# KiCad board amp board.kicad_pcb (continued)
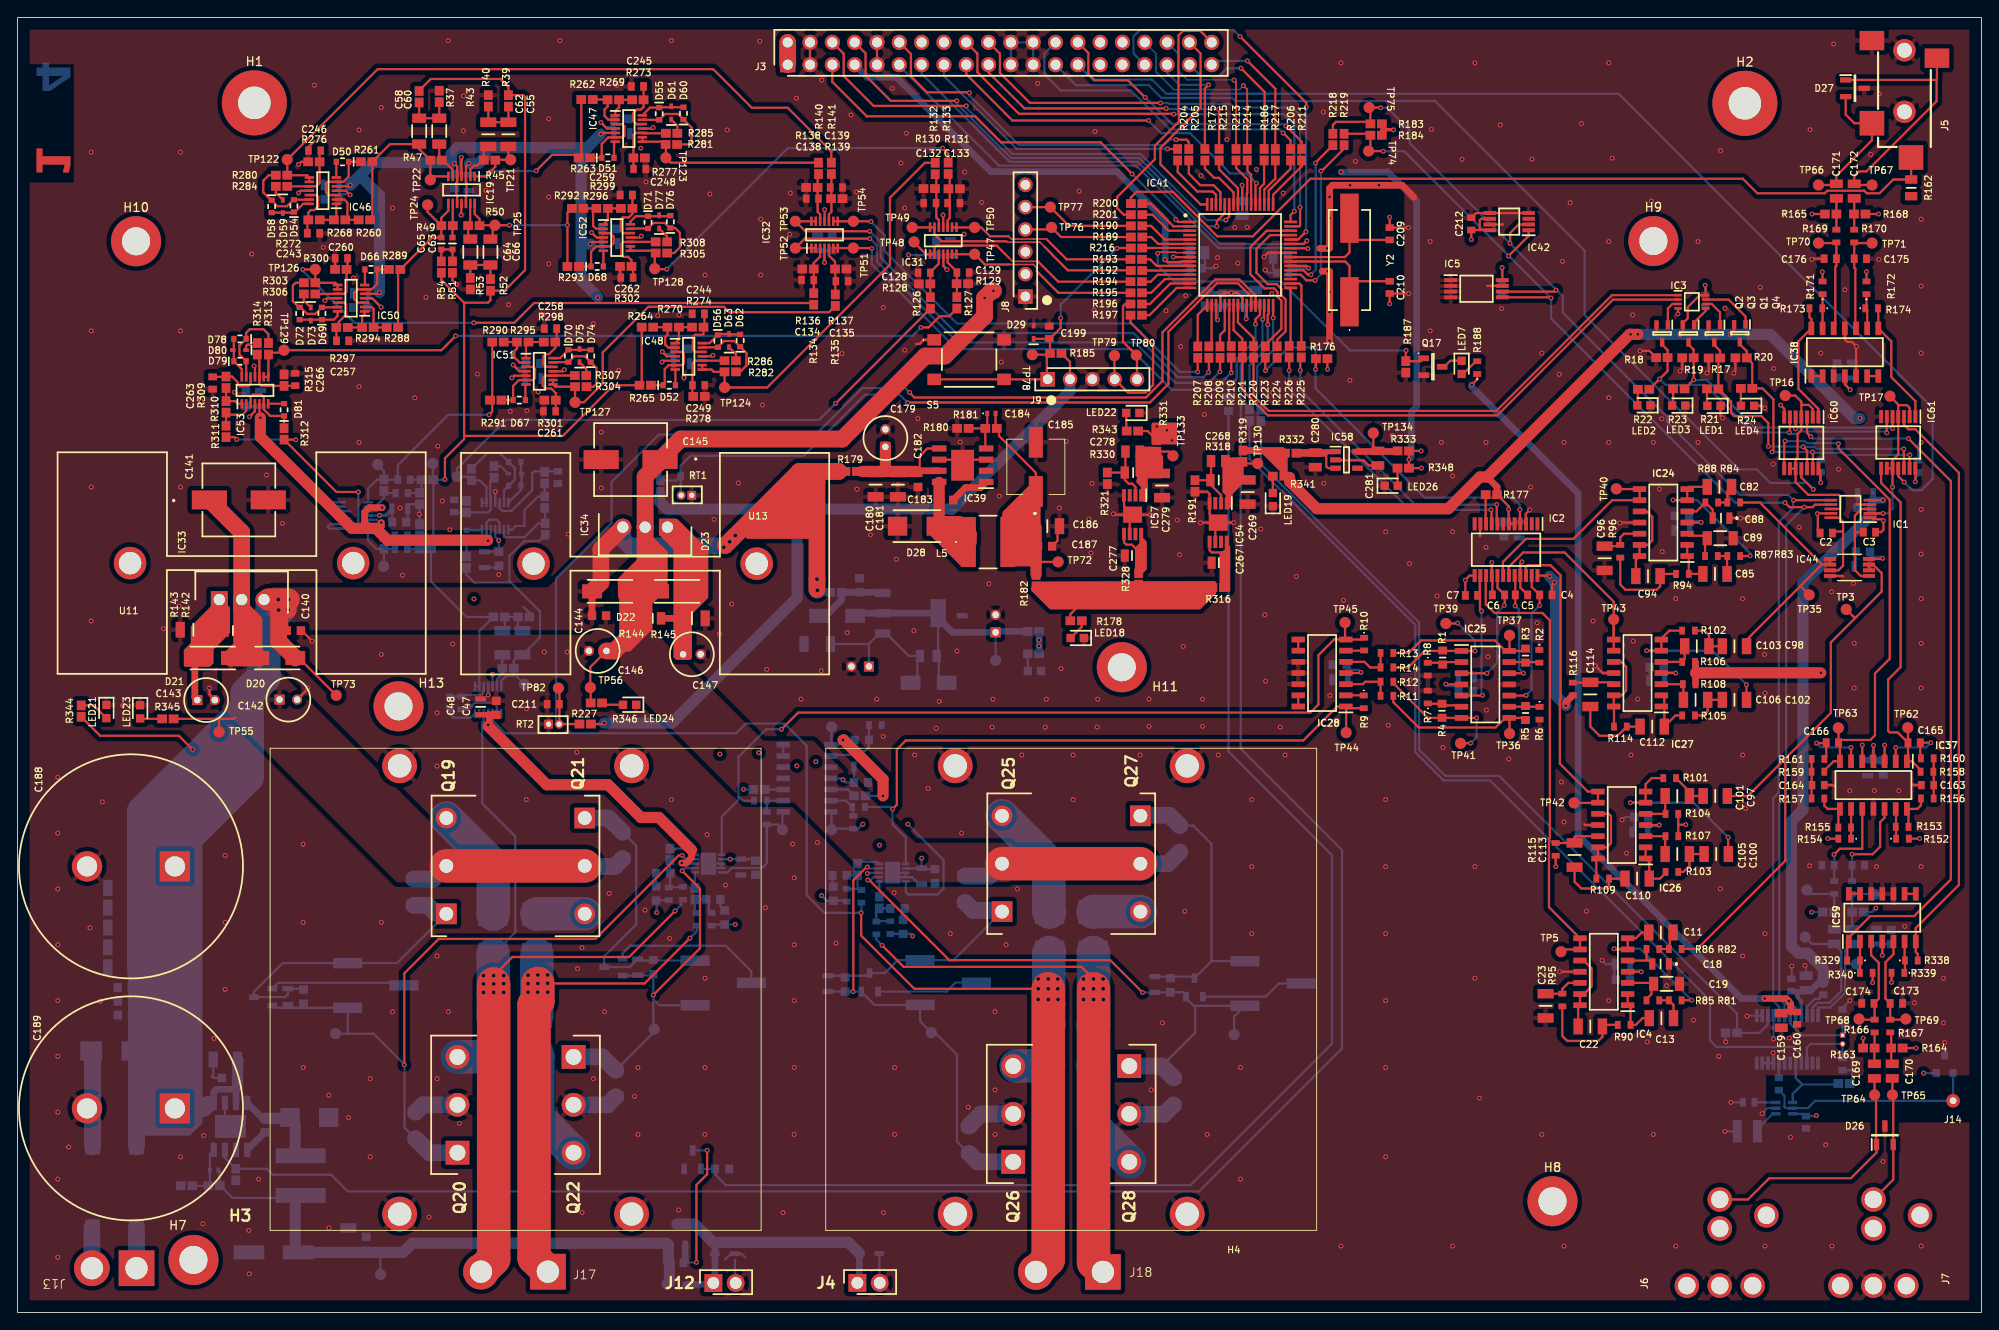
[diagram p0: board, top side]
## Nets (continued)
Net-(IC41-SEG5/AN2/C2INB/RP13/RB2): IC41.14 R195.2
Net-(IC41-SEG8/AN14/RP14/OCM1C/RB14): IC41.29 R57.1
Net-(IC41-SEG10/RP10/SDA2/RF4): IC41.31 R124.2
Net-(IC41-SEG11/RP17/SCL2/RF5): IC41.32 R123.2
Net-(IC41-SEG12/RP16/RF3): IC41.33 R226.1
Net-(IC41-SEG16/C3INC/RP12/RD11): IC41.45 R224.1
Net-(IC41-SEG17/RP11/RD0): IC41.46 R223.1
Net-(IC41-SEG20/RP24/RD1): IC41.49 R211.1
Net-(IC41-SEG21/RP23/RD2): IC41.50 R206.1
Net-(IC41-SEG22/RP22/RD3): IC41.51 R217.1
Net-(IC41-SEG23/RP25/RD4): IC41.52 R186.1
Net-(IC41-SEG25/C3INB/RD6): IC41.54 R214.1
Net-(IC41-SEG26/C3INA/RD7): IC41.55 R213.1
Net-(IC41-SEG27/RF0): IC41.58 R175.1
Net-(IC41-SEG28/SCL1/RG2): IC41.37 R218.1
Net-(IC41-SEG40/RP30/RF2): IC41.34 R225.1
Net-(IC41-SEG47/RP31/SDA1/OCM1F/RG3): IC41.36 R219.1
Net-(IC41-TDO/AN11/RB11): IC41.24 R220.2
Net-(IC41-TMS/COM5/SEG29/CVREF/AN10/RP15/RB10): IC41.23 R221.2
Net-(IC41-VLCAP1/C1INC/C2INC/C3INC/RP26/RG7): IC41.5 R190.2
Net-(IC41-VLCAP2/C2IND/RP19/RG8): IC41.6 R189.2
Net-(IC41-~{MCLR}): IC41.7 R216.1
Net-(IC45-+_IN_B): IC45.5 R228.2
Net-(IC45-+_IN_C): IC45.10 R233.1
Net-(IC45--IN_A): IC45.2 R31.2 R55.1
Net-(IC45--IN_B): IC45.6 R229.2 R231.2
Net-(IC45--IN_C): IC45.9 R236.2 R237.2
Net-(IC45--IN_D): IC45.13 IC45.14
Net-(IC46-1IN-): IC46.2 R260.2 R268.1
Net-(IC46-1OUT): IC46.1 R268.2 R272.1
Net-(IC46-3IN+): C246.1 IC46.10 R276.2 R284.2
Net-(IC46-4IN+): C243.2 IC46.12 R272.2
Net-(IC47-1IN-): IC47.2 R262.2 R269.1
Net-(IC47-1OUT): IC47.1 R269.2 R273.1
Net-(IC47-3IN+): C248.1 IC47.10 R277.2 R285.2
Net-(IC47-4IN+): C245.2 IC47.12 R273.2
Net-(IC48-1IN-): IC48.2 R264.2 R270.1
Net-(IC48-1OUT): IC48.1 R270.2 R274.1
Net-(IC48-3IN+): C249.1 IC48.10 R278.2 R286.2
Net-(IC48-4IN+): C244.2 IC48.12 R274.2
Net-(IC49-1IN-): IC49.2 R266.2 R271.1
Net-(IC49-1OUT): IC49.1 R271.2 R275.1
Net-(IC49-3IN+): C250.1 IC49.10 R279.2 R287.2
Net-(IC49-4IN+): C247.2 IC49.12 R275.2
Net-(IC50-1IN-): IC50.2 R288.2 R294.1
Net-(IC50-1OUT): IC50.1 R294.2 R297.1
Net-(IC50-3IN+): C260.1 IC50.10 R300.2 R306.2
Net-(IC50-4IN+): C257.2 IC50.12 R297.2
Net-(IC51-1IN-): IC51.2 R290.2 R295.1
Net-(IC51-1OUT): IC51.1 R295.2 R298.1
Net-(IC51-3IN+): C261.1 IC51.10 R301.2 R307.2
Net-(IC51-4IN+): C258.2 IC51.12 R298.2
Net-(IC52-1IN-): IC52.2 R292.2 R296.1
Net-(IC52-1OUT): IC52.1 R296.2 R299.1
Net-(IC52-3IN+): C262.1 IC52.10 R302.2 R308.2
Net-(IC52-4IN+): C259.2 IC52.12 R299.2
Net-(IC53-1IN-): IC53.2 R310.1 R311.2
Net-(IC53-1OUT): IC53.1 R309.1 R310.2
Net-(IC53-3IN+): C266.1 IC53.10 R314.2 R315.2
Net-(IC53-4IN+): C263.2 IC53.12 R309.2
Net-(IC54-EN): C267.1 IC54.5 IC54.8 R316.2
Net-(IC54-FB): C268.2 IC54.2 R191.2 R318.2
Net-(IC54-OUT): C268.1 C269.1 IC54.1 R318.1 R319.1 TP130.1
Net-(IC57-EN): C277.1 IC57.5 IC57.8 R328.2
Net-(IC57-FB): C278.2 IC57.2 R321.2 R330.2
Net-(IC57-OUT): C278.1 C279.1 IC57.1 R330.1 R331.1 TP133.1
Net-(IC58-EN): C280.2 IC58.1 IC58.3 R332.2
Net-(IC58-OUT): C281.2 IC58.5 R333.1 TP134.1
Net-(IC59--IN_A): IC59.2 R329.1 R339.1
Net-(IC59--IN_B): IC59.6 R338.1 R340.1
Net-(IC59--IN_C): IC59.8 IC59.9
Net-(IC59--IN_D): IC59.13 IC59.14
Net-(J5-RING): C172.2 D27.1 J5.3 TP67.1
Net-(J5-TIP): C171.2 D27.2 J5.2 TP66.1
Net-(J6-SIG): C169.2 D26.1 J6.3 TP64.1
Net-(J7-SIG): C170.2 D26.2 J7.3 TP65.1
Net-(LED1-A): LED1.2 R21.1
Net-(LED2-A): LED2.2 R22.1
Net-(LED3-A): LED3.2 R23.1
Net-(LED4-A): LED4.2 R24.1
Net-(LED7-A): LED7.2 R188.2
Net-(LED7-K): LED7.1 Q17.3
Net-(LED18-A): LED18.2 R178.1
Net-(LED19-A): LED19.2 R341.1
Net-(LED21-A): LED21.2 R344.1
Net-(LED22-A): LED22.2 R343.1
Net-(LED23-A): LED23.2 R345.1
Net-(LED24-A): LED24.2 R346.1
Net-(LED25-A): LED25.2 R347.1
Net-(LED26-A): LED26.2 R348.1
Net-(Q5-G): Q5.1 Q6.3 R56.1
Net-(Q18-B): Q18.1 VR3.2
Net-(Q18-C): C215.1 C216.1 Q18.3 Q19.1 R234.2 VR3.3
Net-(Q19-E): Q19.3 R238.1
Net-(Q20-E): Q20.3 R239.2
Net-(Q21-B): C217.1 C218.1 Q21.1 Q23.3 R242.2 VR4.3
Net-(Q21-E): Q21.3 R240.1
Net-(Q22-E): Q22.3 R241.2
Net-(Q23-B): Q23.1 VR4.2
Net-(Q24-B): Q24.1 VR5.2
Net-(Q24-C): C225.1 C226.1 Q24.3 Q25.1 R248.2 VR5.3
Net-(Q25-E): Q25.3 R250.1
Net-(Q26-E): Q26.3 R251.2
Net-(Q27-B): C229.1 C230.1 Q27.1 Q29.3 R254.2 VR6.3
Net-(Q27-E): Q27.3 R252.1
Net-(Q28-E): Q28.3 R253.2
Net-(Q29-B): Q29.1 VR6.2
Net-(U14--IN_A): R335.1 U14.10
Net-(U14--IN_B): R334.2 U14.6
Net-(U15--IN_A): R337.1 U15.10
Net-(U15--IN_B): R336.2 U15.6

Pads without a net: H1 1; H2 1; H7 1; H8 1; H9 1; H10 1; H11 1; H13 1; IC2 1 2 12; IC30 2; IC36 1 2 6 7 12; IC39 2; IC41 4 35 63; IC42 3; IC54 3 7; IC57 3 7; IC58 4; J3 14 16; J6 2 4 5 6; J7 2 4 5 6; J8 2 3 6; U11 1 2; U13 1 2

## Via types
v1: diameter 0.559, hole 0.305, Top to Bottom, 724 vias
v2: diameter 0.762, hole 0.432, Top to Bottom, 45 vias

## Routing (per net, layer and track width the routed paths; a pad name or vN(x,y) marks a point on that pad's centre or on a via; arc(x,y) is an arc through that point)
2V5: length 198.1
  Top w0.254: R164.2 216.07,30.08 v1(216.08,30.07) ; R340.2 213.29,37.55 v1(213.28,37.54) ; 210.06,30.08 210.06,31.19 v1(210.06,31.19) ; v1(174.37,83.74) 174.28,83.84 IC2.24 ; v1(174.93,83.06) 174.64,82.77 C4.2 ; v1(175.08,50.72) 175.06,50.75 R115.1 ; v1(216.48,53.92) 216.46,53.9 R152.2 ; v1(210.44,118.42) R172.2 ; v1(159.79,96.06) R348.2 v1(158.36,97.03) 158.36,98.01 R333.2 v1(159.74,98.02) ; R168.2 v1(211.81,124.97) ; IC2.13 165.27,83.84 164.78,83.35 v1(164.78,83.31) C7.2 ; 190.98,73.94 R106.1 ; R107.2 189.02,55.5 ; 189.02,55.5 R104.1 ; 189.02,55.5 v1(189.86,55.5) ; IC37.3 v1(212.5,64.55) ; IC37.5 v1(209.96,64.55) ; 211.15,37.52 v1(211.14,37.53) 211.13,37.53 R339.2 ; 206.02,53.92 v1(206.03,53.91) 206.04,53.9 R154.2 ; v1(205.23,72.77) 205.26,72.8 ; v1(205.41,118.39) 205.44,118.36 R171.2 ; 210.86,90.41 211.06,90.41 211.23,90.25 212.22,90.25 v1(212.37,90.09) 212.37,89.05 212.09,88.77 C3.2 ; 206.41,90.91 204.88,90.91 v1(204.85,90.88) 204.9,90.83 204.9,88.93 C2.1 ; R165.2 v1(204.24,124.97) ; C5.2 171.04,82.47 IC2.21 171.04,85.21 v1(171.22,85.4) ; v1(167.79,85.32) 167.79,85.32 IC2.16 167.85,83.77 C6.2
  Top w0.762: 190.98,73.94 R108.2 ; v1(176.23,69.04) 176.23,69.42 R116.1
  Top w1.27: v1(205.23,72.77) 190.98,72.77
  In2.Cu w0.381: J3.29 124.45,143.19 124.45,145.15 125.16,145.86 141.82,145.86 144.45,143.23 144.5,143.28
  In2.Cu w0.762: v1(150.65,129.74) 150.65,137.13 144.65,143.13
  In2.Cu w1.27: v1(206.03,53.91) 204.44,55.5 v1(189.86,55.5) 185.09,50.72 v1(175.08,50.72)
  Bottom w0.254: v1(204.19,45.54) 204.2,45.55 R149.2 ; v1(211.51,46) 211.06,45.55 R148.2 ; v1(158.36,97.03) 158.62,97.29
  Bottom w0.762: 158.62,97.29 158.62,102.44 159.23,103.05 159.23,126.47 155.96,129.74 v1(150.65,129.74)
  Bottom w1.27: v1(174.37,83.74) 174.93,83.19 v1(174.93,83.06) 175.06,82.93 175.06,70.21 v1(176.23,69.04)
3V3: length 311.9
  Top w0.254: 139.84,113.03 v1(139.85,113.04) 139.9,113.1 IC41.26 ; IC5.8 168.99,118.85 v1(168.96,118.87) ; 201.32,35.71 v1(201.6,35.43) ; IC42.6 166.6,124.43 166.42,124.26 166.42,123.15 ; 155.28,134.57 155.28,133.93 155.28,135.23 ; v1(66.78,67.06) 66.66,66.94 R227.2 ; IC41.10 132.44,119.57 132.37,119.5 130.89,119.5 v1(130.61,119.79) ; 129.67,100.78 v1(129.67,100.79) ; 166.42,123.15 C212.2 v1(165.46,122.07) ; 166.42,123.15 167.54,123.15 IC42.8 ; R343.2 128.62,100.28 R331.2 129.68,99.23 ; R188.1 166.13,106.16 v1(165.51,105.54) ; R185.2 119.79,108.14 J9.2 ; C159.2 200.86,34.18 ; v1(146.94,118.82) 146.69,119.07 IC41.38 ; IC41.19 136.4,113.11 v1(136.58,112.93) ; R176.2 149.08,107.34 v1(149.1,107.32) ; 131.35,99.23 v1(131.37,99.21)
  Top w0.381: 200.86,34.18 C160.2 ; 155.28,134.57 156.58,134.57
  Top w0.762: 201.8,34.18 201.8,35.12 201.6,35.32 v1(201.6,35.43) ; v1(198.86,35.71) 201.32,35.71
  In2.Cu w0.762: v1(201.6,35.43) 202.06,34.98 202.06,33.99
  In2.Cu w1.27: v1(216.94,27.23) 208.81,27.23 ; 208.81,27.23 202.06,33.99 ; 208.81,27.23 208.81,25.77 205.45,22.4 204.88,22.4
  Bottom w0.254: C205.2 139.84,114.66 ; 139.84,114.66 136.51,114.66 ; 139.84,114.66 139.73,114.55 139.73,113.17 v1(139.85,113.04) ; 144.68,119.05 144.93,118.8 146.91,118.8 v1(146.94,118.82) ; 144.68,119.05 C206.2 ; 144.68,119.05 144.68,119.94 C208.2 ; 133.49,119.48 C200.2 ; 133.49,119.48 C201.2 ; 133.49,119.48 133.31,119.3 131.09,119.3 v1(130.61,119.79) 130.63,119.81 ; IC35.6 203.31,22.59 C150.2 204.66,22.34 v1(204.72,22.4) ; 136.51,114.66 136.6,114.57 136.6,112.95 v1(136.58,112.93) ; 136.51,114.66 135.53,114.66 C202.2 ; 168.99,118.87 168.96,118.85 C24.2 ; IC36.20 202.39,34.65 v1(201.6,35.43) ; D24.2 v1(216.94,27.23)
  Bottom w0.762: v1(165.51,105.54) 165.51,105.31 177.62,93.19 177.62,54.31 196.22,35.71 v1(198.86,35.71) ; 130.63,119.81 130.63,124.28 125.12,129.79 110.77,129.79 100.03,140.54 96.7,140.54 J3.7
  Bottom w1.27: v1(66.78,67.06) 74.47,67.06 88.72,81.31 88.72,91.39 ; 73.1,92.79 73.1,92.23 73.94,91.39 88.72,91.39 ; 88.72,91.39 106.35,91.39 119.79,104.83 J9.2
  vias: v1(130.81,100.36) v1(156.61,134.54)
/Main Board/5V_Signal: length 208.3
  Top w0.254: Q2.2 186.53,111.65 v1(186.26,111.38) ; Q4.2 195.37,111.78 194.97,111.38 ; 144.17,97.68 R332.1 143.96,98.06 ; v1(192.07,116.87) 192.14,116.8 IC3.8 191.45,115.74 190.09,114.38 190.09,113.11 189.53,112.54 Q3.2 189.53,111.6 v1(189.2,111.28) ; 170.36,89.69 169.71,89.69 v1(169.71,91.36) 169.71,91.73 R177.2 ; 212.32,92.41 v1(212.31,92.41) 210.86,92.41 ; Q1.2 192.47,111.58 192.46,111.57 192.46,111.53 192.25,111.33 ; v1(216,94.51) 216,94.51 IC61.14 ; v1(205.23,94.41) 205.18,94.46 205.18,95.79 IC60.14
  Top w0.762: 167.25,95.05 168.39,93.91 R177.2 ; R319.2 143.96,98.06 ; R341.2 144.17,97.68
  Top w1.27: v1(184.4,111.28) v1(183.59,111.28) 183.48,111.28 167.25,95.05 166.45,95.05 162.84,91.44 147.88,91.44 144.78,94.54 144.78,95
  In2.Cu w1.27: v1(216,94.51) 216,94.74 215.18,95.56 211.99,95.56 211.86,95.43 ; 211.86,95.43 212.09,95.2 212.09,92.63 v1(212.31,92.41) ; 211.86,95.43 208.97,95.43 ; v1(205.23,94.41) 207.95,94.41 208.97,95.43 ; v1(209.7,101.73) 209.7,96.16 208.97,95.43
  Bottom w0.254: C288.1 170.9,89.91 169.72,89.91 ; v1(205.23,94.41) C115.2 ; 169.72,89.91 169.72,91.36 ; 169.72,89.91 C287.1 ; C17.2 192.09,116.85 v1(192.07,116.87) ; v1(216,94.51) 216,94.95 216.31,95.25 C116.2 ; 205.04,37.56 C152.2 205.25,37.56 ; C284.1 211,92.94 211,92.41 211,92.41 ; 203.85,36.93 C158.2 204.14,36.65 ; 202.59,36.53 202.62,36.55
  Bottom w0.381: 203.47,36.55 C156.2 ; 202.59,35.87 203.02,35.43 IC36.21
  Bottom w0.508: 202.59,35.87 202.59,36.53
  Bottom w0.762: 204.14,36.65 205.04,37.56 ; 211,92.41 C34.1 211,90.75 ; v1(212.31,92.41) 211,92.41
  Bottom w1.27: v1(209.7,101.73) 209.04,101.73 199.49,111.28 v1(194.95,111.28) v1(192.23,111.28) v1(189.2,111.28) v1(183.59,111.28) ; C152.2 205.51,39.12 203.76,40.87 202.69,40.87 201.9,41.66 201.9,55.88 203.2,57.18 203.2,82.96 211,90.75
/Main Board/8V: length 4.6
  Top w0.254: 121.98,81.6 119.82,79.44 R178.2 ; R182.2 115.92,82.05 ; 136,82.28 R316.1
/Main Board/33V: length 230.7
  Top w0.254: C140.1 30.65,79.77 v2(30.81,79.93) ; D20.1 32.02,74.46 TP73.1 ; 19.99,63.98 v1(19.93,64.05) 18.36,65.61 9.4,65.61 R344.2 ; 65.38,82.03 D22.1 ; 30.46,81 30.56,81.1
  Top w0.762: C144.1 65.38,82.03
  Top w1.27: 30.46,81 29.72,80.26
  Top w1.905: 88.97,95.68 93.44,95.68 93.45,95.68 ; 88.97,95.68 89.87,95.68 90.98,94.56 v2(90.98,83.43) 90.98,82.25 ; 88.97,95.68 80.57,87.27 ; v2(29.72,79.91) 30.78,79.91 ; D20.1 29.72,76.35 29.72,80.26 ; IC34.3 66.4,86.85 66.4,83.05 D22.1
  Top w2.54: v2(30.85,81.1) v2(29.67,81.1) 28.55,81.1
  Bottom w0.254: 24.87,25.51 24.92,25.56 ; 91.28,81.93 v2(91.03,82.17) ; 22.33,24.3 22.33,23.83 ; 28.04,78.86 28.07,78.84
  Bottom w0.762: 22.33,24.31 22.33,25.07 22.63,25.37 24.73,25.37 24.92,25.56 ; R324.1 91.28,81.93 ; IC30.7 24.87,25.51
  Bottom w1.27: 25.11,28.66 25.04,28.59 25.04,25.69
  Bottom w1.905: C188.1 15.49,50.75 13.54,48.79 13.54,30.19 IC40.2 13.54,29.29 BR1.2 ; v2(81.69,88.39) 80.52,87.22 69.64,87.22 68.88,87.98 IC34.3 ; v2(90.98,83.43) 90.98,82.22 v2(91.03,82.17) ; C189.1 21.21,23.22 21.67,23.67 ; IC33.3 28.04,78.86
  Bottom w3.81: 16.9,37 14.35,39.55 14.35,56.92 25.86,68.43 26.14,68.43 ; 26.14,68.43 26.14,65.68 ; 26.14,68.43 26.14,70.4 28.04,72.3 28.04,78.39 29.95,80.29 ; 19.99,54.84 26.14,60.99 26.14,65.68 ; 26.14,65.68 17.91,57.46 C188.1
  vias: v2(80.39,87.05) v2(81.05,87.68)
/Main Board/Bandpass Filters/14V Offset: length 333.4
  Top w0.254: v1(27.63,101.79) 27.52,101.9 IC53.5 ; v1(65.18,121.56) 65.4,121.79 IC52.5 ; v1(73.36,108.13) 73.5,108.28 IC48.5 ; IC50.5 41.03,115.89 v1(41.19,116.05) ; IC19.10 50.03,127.05 49.94,127.15 49.94,128.51 50.03,128.6 IC19.5 50.03,130.42 v1(49.72,130.73) ; IC46.5 37.75,128.13 v1(37.88,128.25) ; v1(51.34,130.73) 51.03,130.42 IC19.3 51.03,128.6 51.1,128.53 51.1,127.15 51.03,127.07 IC19.12 ; IC51.5 56.52,106.58 v1(56.26,106.32) ; IC47.5 66.51,134.2 v1(66.37,134.06)
  Top w0.762: v1(41.41,89.87) 41.41,89.44 40.97,89 ; 53.49,87.86 v1(53.55,87.8) ; 40.97,89 42.11,87.86 ; 40.97,89 40.39,89 39.5,89.89 39.5,91.03 40.03,91.57 v1(41.5,91.57)
  Top w1.27: v1(27.63,101.79) 27.63,99.62 38.05,89.21 40.77,89.21 42.11,87.86 53.49,87.86 ; v1(98.5,58.78) 98.5,60.66 94.03,65.13 v1(93.95,65.13)
  In2.Cu w0.762: v1(51.34,130.73) 51.37,130.71 ; v1(54.07,72.59) 52.37,70.9 52.37,65.96
  In2.Cu w1.27: v1(98.5,58.78) 100.18,58.78 104.67,54.28 104.67,45.64 v1(101.85,42.82) 100.53,44.15 94.77,44.15 93.75,45.16 93.75,45.19 v1(91.52,47.42) ; v1(41.19,116.05) 27.63,102.49 v1(27.63,101.79) ; v1(81.69,44.13) 81.67,44.15 74.09,44.15 v1(72.75,45.49) 72.75,51.46 ; 72.75,51.46 72.75,52.4 65.96,59.18 59.16,59.18 52.37,65.96 ; 72.75,51.46 80.8,59.51 v1(82.63,59.51) 82.63,59.54 88.22,65.13 v1(93.95,65.13) ; v1(73.36,108.13) 72.33,108.13 66.04,114.43 v1(66.04,115.45) 56.92,106.32 v1(56.26,106.32) ; v1(54.07,72.59) 53.55,73.11 v1(53.55,87.8)
  Bottom w0.254: v1(72.75,45.49) 72.75,46.8 C223.2 74.2,46.88 74.28,46.95 ; R55.2 93.96,65.13 v1(93.95,65.13) 93.95,65.1 93.43,64.58 IC45.1 92.64,64.66 TP111.1 ; R233.2 82.64,59.5 v1(82.63,59.51) ; 93.25,46.86 94.4,46.86 ; v1(101.85,42.82) 101.59,43.09 99.47,43.09 99.32,43.24 ; v1(91.52,47.42) 92.09,46.85 C233.2 ; R228.1 98.5,58.78 v1(98.5,58.78) ; IC20.3 40.88,91.18 41.26,91.57 v1(41.5,91.57) ; C224.2 79.12,44.13 R16.2 ; C224.2 80.42,44.21 ; C224.2 v1(81.69,44.13) ; IC49.5 53.86,88.27 53.55,87.96 v1(53.55,87.8) ; v1(41.41,89.87) 41.31,89.97 41.09,89.97 40.88,90.18 IC20.5 ; IC18.12 54.06,72.59 v1(54.07,72.59) ; 64.14,121.92 64.49,121.56
  Bottom w0.762: v1(66.04,115.45) 66.04,115.54
  Bottom w1.27: 53.22,132.51 64.82,132.51 ; 53.22,132.51 53.22,131.47 52.47,130.73 51.44,130.73 ; 53.22,132.51 50.04,132.51 49.35,131.82 49.35,130.81 40.43,130.81 38.95,129.33 ; 64.82,132.51 64.14,131.83 64.14,117.45 66.04,115.54 ; 64.82,132.51 v1(66.37,134.06) ; 64.49,121.56 v1(65.18,121.56) ; 38.95,129.33 41.19,127.09 v1(41.19,116.05) ; 38.95,129.33 v1(37.88,128.25)
/Main Board/Fan Drivers/12V: length 68.8
  Bottom w0.254: L2.2 31.93,13.03 24.46,13.03 23.08,14.41 ; TP46.1 41.3,6.68 41.15,6.83 ; R120.2 23.02,16.01 C124.2 ; 39.92,7.25 C127.1
  Bottom w1.27: D1.2 74.18,3.46 R56.2 74.08,5.77 Q5.2 73.87,7.87 44.93,7.87 43.89,6.83 C125.1 31.6,7.18 31.6,12.69 L2.2
/Main Board/Output Stage/VIN L INV: length 25.9
  In2.Cu w0.254: v1(96.19,55.55) v1(101.32,55.55)
  Bottom w0.254: 96.22,55.58 v1(96.19,55.55) 95.68,55.04 R231.1 92.76,55.04 TP113.1 92.64,56.88 IC45.7 ; v1(101.32,55.55) 105.38,51.49 105.38,48.21 104.72,47.55 101.38,47.55 101.09,47.83 U15.5
/Main Board/Output Stage/VIN R INV: length 14
  Bottom w0.254: U14.5 80.8,50.06 81.31,50.57 84.74,50.57 85.28,51.11 R236.1 86.47,55.51 TP114.1 87.05,56.88 IC45.8
/Main Board/VCC_Power_R: length 64.9
  Top w0.254: 24.77,67.69 24.61,67.54 23.29,67.54 ; R345.2 23.29,67.54 ; 23.29,67.54 22.94,67.54 TP55.1
  Top w1.905: IC33.2 25.5,75.69 D21.1 D20.2 26.9,75.07 26.9,78.64 25.5,80.03 IC33.2 ; IC33.2 25.5,88.77 C141.1 ; Q19.2 48.33,50.8
  Top w3.81: Q19.2 Q21.2
  Bottom w0.254: 64.61,50.74 Q21.2
  Bottom w1.905: R234.1 47.32,49.32 Q19.2 ; R242.1 67.98,50.74 64.61,50.74
GND: length 285.7
  Top w0.254: v1(194.06,101.78) 193.83,102.01 LED1.1 ; C212.1 165.98,125.08 IC42.5 ; R19.1 189.47,107.35 v1(189.23,107.11) ; 149.33,118.44 149.3,118.47 ; R51.1 49.5,117.43 v1(49.96,116.97) ; 207.77,83.74 207.72,83.79 IC44.4 ; 171.66,89.69 171.66,90.86 v1(172.11,91.31) ; IC54.9 135.68,90.84 IC54.4 135.68,93.1 135.4,93.38 R191.1 ; IC54.9 134.65,89.87 v1(134.62,89.84) ; IC54.9 136.33,89.54 IC54.6 ; IC54.9 v1(138.4,89.87) ; v1(72.34,134.8) 72.24,134.7 IC47.11 ; IC41.25 139.4,115.44 138.84,116 v1(138.15,116) 137.32,116 136.9,115.58 IC41.20 ; IC58.2 150.06,96.95 153.19,96.95 153.78,96.36 C281.1 ; v1(31.98,130.61) 32.28,130.91 R276.1 ; IC57.4 125.93,91.74 IC57.9 ; 206.76,59.87 206.63,60 C164.2 ; v1(175.51,38.79) 175.54,38.76 IC4.11 ; 215.65,60.12 215.77,60 C163.2 ; v1(188.98,113.61) 188.99,113.62 IC3.4 ; IC5.7 167.29,116.79 167.28,116.79 ; v1(198.86,102.87) 198.58,103.15 LED4.1 ; C260.2 36.14,119.93 R300.1 ; IC50.11 35.26,115.39 v1(34.98,115.11) ; v1(62.23,107.26) 62.04,107.08 IC51.11 ; IC42.5 167.56,125.17 ; IC42.5 IC42.4 ; v1(158.32,115.93) C210.2 156.17,114.77 v1(156.16,114.76) ; C88.1 v1(196.09,90.37) 197.08,90.37 197.36,90.09 ; v1(21.84,71.04) 21.84,70.29 C143.2 ; v1(192.28,106.86) 192.48,107.06 R17.1 ; R18.1 185.74,109.4 v1(184.66,109.4) ; IC27.11 180.42,72.75 v1(179.58,73.58) ; v1(79.15,108.89) 79.03,108.78 IC48.11 ; C142.2 33.02,70.92 v1(33.02,71.04) ; IC60.7 201.07,102.81 v1(200.66,103.23) ; C187.2 118.36,87.79 118.36,89.24 C186.2 ; IC26.11 178.4,55.45 178.31,55.55 ; C176.1 204.29,119.89 v1(204.22,119.81) ; v1(131.53,120.09) 131.95,120.09 131.97,120.07 IC41.9 ; IC39.3 IC39.6 ; v1(50.5,124.84) 50.5,126.14 IC19.11 ; J3.3 J3.4 ; v1(105.33,124.84) 105.36,124.82 IC31.11 ; IC57.9 126.58,90.44 IC57.6 ; IC57.9 124.81,90.76 v1(124.71,90.86) ; IC57.9 v1(128.94,90.76) ; S5.1 103.14,110.66 102.67,110.19 102.26,110.19 ; v1(31.98,127.36) 32.25,127.63 IC46.11 ; v1(156.16,124.61) 156.17,124.6 C209.2 158.29,123.42 v1(158.29,123.42) ; v1(70.99,122.45) 70.83,122.29 IC52.11 ; J3.9 J3.10 ; IC53.11 27.02,107.57 v1(26.92,107.67) ; C262.2 68.57,117.82 R302.1 ; IC24.11 182.4,89.87 v1(182.37,89.84) ; 166.45,88.32 166.46,88.33 166.46,89.69 ; IC38.5 209.25,109.86 v1(209.3,109.91) 208.79,110.41 208.28,110.41 207.98,110.72 IC38.11 ; v1(33.53,76.38) 32.33,77.57 C140.2 ; v1(141.86,120.09) 142.34,120.57 IC41.41 ; 210.86,91.91 209.36,91.91 209.27,92 ; C246.2 33.1,132.6 33.78,133.27 ; R20.1 195.51,107.05 v1(195.33,106.86) ; 149.33,121.08 149.3,121.06 ; 169.06,123.8 169.04,123.78 IC42.7 ; IC32.11 v1(91.85,125.48)
  Top w0.762: 158.93,126.9 157.58,128.24 v1(154.94,128.24) v1(151.66,128.24) 149.66,128.24 149.33,127.91 v1(149.33,126.92) v1(149.33,124.51) 149.33,121.08 ; 148.49,118.47 v1(149.12,118.47) 149.3,118.47 ; 149.33,110.44 v1(149.33,110.57) v1(149.33,113.82) v1(149.33,116.13) 149.33,118.44 ; 149.3,121.06 148.21,121.06
  Bottom w0.254: 80.52,6.02 81.16,6.67 D84.1 82.41,6.67 82.8,6.27 ; IC49.11 54.36,93.37 v1(54.38,93.39) ; v1(199.82,29.54) 199.85,29.52 IC36.9 IC36.11 ; R147.2 194.4,30.8 v1(194.41,30.79) ; R255.2 131.55,23.61 ; U15.4 U15.3 U15.11 100.09,49.52 U15.4 ; U15.4 101.81,49.52 102.6,48.73 C228.2 ; IC36.16 v1(199.85,31.12) 199.85,31.09 199.82,31.06 ; 81.66,6.02 81.66,3.42 J12.2 ; C158.1 203.57,39.33 v1(203.43,39.47) ; v1(182.63,56.06) 182.92,56.36 C107.2 184,54.92 C109.2 ; C208.1 142.89,118.67 C206.1 142.32,118.29 v1(142.01,118.59) ; v1(180.34,40.06) 180.77,39.62 C21.2 181.74,38.01 C20.2 ; IC30.9 23.59,21.79 23.59,23.83 ; v1(136.4,119.05) 136.14,118.8 C201.1 135.15,119.06 C200.1 ; R146.1 208.81,26.32 208.81,27.79 ; v1(195,23.9) L1.1 ; 37.85,90.35 37.68,90.18 IC20.10 ; C108.2 185.76,71.98 185.66,71.88 ; C157.1 207.71,34.66 v1(208.53,35.48) ; C34.2 209.42,91.57 C284.2 ; R249.2 108.26,21.2 ; 57.56,80.29 57.87,79.97 57.92,79.97 58.25,79.65 R35.2 ; J3.23 J3.24 J3.22 J3.21 ; C285.2 209.23,85.08 C286.2 ; IC20.12 37.78,91.18 37.85,91.11 ; C122.2 22.28,26.67 22.1,26.85 22.27,27.02 C121.2 ; v1(201.93,39.4) 201.93,38 C156.1 ; C155.1 208.74,27.56 208.81,27.64 208.81,27.79 ; v1(196.85,33.71) 196.92,33.77 IC36.13 IC36.14 ; v1(194.31,20.6) L3.2 ; C242.2 54.59,84.75 C238.2 ; 208.81,27.79 208.81,29.24 ; 126.57,22.54 Q28.2 ; R44.1 R42.1 44.4,91.95 C54.2 44.4,90.09 C52.2 ; 8.54,29.59 IC40.1 ; C116.1 216.31,98.63 v1(216.66,98.98) ; D19.1 98.09,3.39 J4.2 ; v1(198.55,22.63) 199.16,23.24 IC35.2 ; IC18.11 v1(53.56,70.26) ; U14.3 U14.4 79.15,50.56 U14.11 U14.3
  Bottom w0.508: C205.1 140.56,115.95 C204.1 137.19,115.95 C203.1 135.66,115.94 C202.1
  Bottom w1.905: 108.26,21.2 109.65,22.58 Q26.2 ; Q22.2 67.15,23.62 R243.2 ; Q20.2 46.14,23.62 R235.2 ; 126.57,22.54 130.49,22.54 131.55,23.61 ; BR1.1 8.54,29.59
  vias: v1(4.57,60.88) v1(4.57,54.53) v1(4.57,48.18) v1(4.57,41.83) v1(4.57,35.48) v1(4.57,29.13) v1(4.57,22.78) v1(4.57,15.16) v1(4.57,6.27) v1(5.82,18.82) v1(8.23,43.76) v1(8.38,132) v1(8.38,111.68) v1(8.38,93.9) v1(8.38,78.66) v1(9.4,35.41) v1(9.65,58.09) v1(11.96,69.06) v1(16.61,77.8) v1(18.36,80.37) v1(18.54,132) v1(18.54,111.68) v1(18.54,93.9) v1(18.54,17.7) v1(20.9,103.63) v1(21.08,10.08) v1(21.18,20.12) v1(22.35,31.17) v1(23.62,51.99) v1(23.62,44.37) v1(23.62,36.75) v1(24.69,104.7) v1(26.31,9.32) v1(26.37,4.39) v1(26.64,120.42) v1(27.43,15.16) v1(28.35,95.28) v1(30.15,89.76) v1(32.51,53.26) v1(32.51,44.37) v1(32.51,27.86) v1(33.78,139.62) v1(34.8,121.16) v1(35.41,24.71) v1(35.43,9.63) v1(37.67,22.17) v1(38.23,117.7) v1(38.86,134.54) v1(38.86,105.33) v1(38.86,98.98) v1(39.47,110.59) v1(40.13,26.59) v1(40.13,17.7) v1(41.4,137.08) v1(41.4,74.85) v1(41.4,44.37) v1(42.67,125.65) v1(42.67,34.21) v1(43.54,91.52) v1(43.81,83.87) v1(45.21,104.06) v1(45.72,90.83) v1(46.48,115.49) v1(46.84,10.85) v1(47.75,68.22) v1(47.75,62.15) v1(47.75,40.56) v1(47.75,26.59) v1(47.83,98.55) v1(48.34,92.33) v1(49.02,144.7) v1(49.02,34.21) v1(49.2,89.05) v1(49.53,76.05) v1(50.29,21.51) v1(50.75,134.44) v1(50.77,138.4) v1(51.94,81.18) v1(52.35,106.76) v1(53.29,127.66) v1(54.76,83.95) v1(55.96,120.47) v1(55.88,114.66) v1(56.08,102.51) v1(57.96,102.59) v1(57.91,68.68) v1(57.91,58.34) v1(59.26,104.72) v1(59.79,113.54) v1(59.94,75.16) v1(60.45,135.81) v1(60.45,126.92) v1(60.45,119.3) v1(61.72,144.7) v1(62.56,75.16) v1(62.69,88.54) v1(63.65,63.73) v1(63.73,39.12) v1(64.24,41.5) v1(64.26,11.35) v1(65.53,112.5) v1(65.53,26.59) v1(66.45,100.15) v1(66.45,93.8) v1(66.8,34.21) v1(67.34,47.68) v1(68.22,139.6) v1(68.43,107.16) v1(70.23,24.59) v1(70.61,27.86) v1(70.61,20.24) v1(70.94,132.46) v1(71.42,45.77) v1(71.53,128.63) v1(72.85,113.41) v1(74.22,42.55) v1(74.42,144.7) v1(74.42,58.34) v1(75.23,11.66) v1(75.29,113.49) v1(75.84,106.35) v1(78.23,118.03) v1(78.23,38.02) v1(78.23,27.86) v1(78.23,20.24) v1(78.49,54.36) v1(78.79,127.25) v1(79.27,90.22) v1(79.88,77.19) v1(79.93,63.53) v1(80.57,48.62) v1(80.77,134.54) v1(81.28,80.59) v1(82.04,94.36) v1(84.35,63.68) v1(84.48,144.63) v1(84.58,124.38) v1(84.58,118.03) v1(84.79,103.25) v1(85.12,46.05) v1(85.27,73.15) v1(87.12,11.35) v1(87.96,127.36) v1(87.88,122.66) v1(88.21,53.29) v1(88.39,49.45) v1(88.39,41.83) v1(88.39,35.48) v1(88.39,27.86) v1(88.39,20.24) v1(88.65,138.15) v1(88.7,62.18) v1(89.15,69.77) v1(90.86,62.66) v1(91.03,53.47) v1(91.47,73) v1(91.52,140.21) v1(93.17,42.01) v1(93.83,109.09) v1(94.44,77.34) v1(94.84,136.25) v1(95.48,127.48) v1(95.53,93.68) v1(97.08,88.47) v1(97.79,69.77) v1(98.09,53.16) v1(98.53,114.33) v1(98.53,65.53) v1(98.55,11.35) v1(99.57,139.27) v1(99.77,47.75) v1(99.82,27.86) v1(99.82,20.24) v1(100.03,85.7) v1(100.2,94.18) v1(100.53,130.76) v1(100.97,125.65) v1(100.97,109.47) v1(101.17,134.16) v1(102.01,77.57) v1(102.11,63.42) v1(102.46,101.7) v1(103.63,59.61) v1(104.55,66.47) v1(104.9,69.52) v1(106.17,43.1) v1(106.91,75.24) v1(107.29,99.03) v1(107.44,54.53) v1(107.75,122.68) v1(107.8,129.74) v1(108.2,23.34) v1(109.73,126.29) v1(110.54,82.91) v1(110.92,66.6) v1(111,69.77) v1(111.25,34.21) v1(111.25,25.32) v1(111.25,20.24) v1(111.73,92.86) v1(111.96,108.13) v1(112.52,41.83) v1(113.79,48.18) v1(114.3,63.42) v1(116.1,139.83) v1(116.97,66.57) v1(117.09,69.77) v1(118.57,91.52) v1(118.77,73.25) v1(119.35,99.11) v1(120.14,63.42) v1(120.14,58.34) v1(120.83,127.56) v1(121.95,90.25) v1(122.17,86.39) v1(122.28,94.31) v1(122.53,114.02) v1(122.63,134.37) v1(122.94,69.77) v1(122.89,66.6) v1(127.76,63.42) v1(128.78,69.77) v1(128.78,66.68) v1(129.03,25.32) v1(130.3,32.94) v1(130.71,113.97) v1(132,90.14) v1(132.26,86.21) v1(132.38,109.88) v1(132.66,75.77) v1(132.84,45.64) v1(132.94,115.7) v1(134.7,129.34) v1(134.87,69.77) v1(134.87,66.68) v1(135.08,102.16) v1(135.38,20.24) v1(136.58,120.02) v1(136.65,63.42) v1(137.64,133.43) v1(138.53,123.44) v1(138.89,119.38) v1(139.19,27.86) v1(139.19,15.16) v1(139.95,123.47) v1(140.46,58.34) v1(140.46,50.72) v1(140.46,43.1) v1(141,130.05) v1(141.5,89.13) v1(141.96,79.38) v1(142.04,71.83) v1(142.75,115.93) v1(142.85,104.65) v1(143.71,66.6) v1(144.04,127.36) v1(144.27,63.42) v1(145.54,83.74) v1(147.45,100.13) v1(148.62,136.58) v1(148.67,94.31) v1(149.07,121.06) v1(149.35,70.18) v1(150.62,142.16) v1(150.62,7.54) v1(150.93,81.03) v1(151.64,106.05) v1(152.27,130.96) v1(155.7,88.82) v1(155.7,58.34) v1(155.7,50.72) v1(155.7,43.1) v1(155.7,35.48) v1(155.7,27.86) v1(155.7,17.7) v1(156.01,66.8) v1(156.46,99.77) v1(158.42,85.19) v1(158.5,71.96) v1(160.78,121.84) v1(160.78,111.68) v1(160.93,134.59) v1(161.57,81.51) v1(162.05,98.98) v1(162.23,64.26) v1(163.32,95.17) v1(163.32,88.82) v1(163.32,7.54) v1(164.41,131.19) v1(165.86,142.16) v1(165.86,50.72) v1(165.86,38.02) v1(166.4,24.38) v1(167.13,98.98) v1(167.13,87.05) v1(167.18,68.53) v1(167.36,74.6) v1(168.76,135.1) v1(168.91,114.22) v1(169.67,78.71) v1(169.72,62.97) v1(172.21,93.9) v1(172.39,131.22) v1(172.95,78.46) v1(173.48,109.14) v1(173.48,20.24) v1(175.46,106.73) v1(175.72,60.35) v1(175.84,119.58) v1(176.02,98.98) v1(176.02,55.8) v1(176.02,7.54) v1(176.71,126.26) v1(178,135.26) v1(178.56,45.64) v1(179.32,78.66) v1(181.1,142.16) v1(181.1,121.84) v1(181.1,104.06) v1(181.1,98.98) v1(181.1,35.48) v1(181.51,131.32) v1(183.13,52.25) v1(183.64,63.42) v1(183.82,113.49) v1(183.9,76.38) v1(184.4,69.77) v1(185.5,30.79) v1(185.95,126.44) v1(186.18,98.98) v1(186.18,20.24) v1(186.87,93.68) v1(187.15,101.68) v1(187.2,86.56) v1(187.68,37.19) v1(188.72,81.2) v1(188.72,7.54) v1(190.75,33.25) v1(191.26,121.84) v1(191.26,98.98) v1(193.62,29.13) v1(193.83,132.18) v1(193.8,48.18) v1(194.34,114.22) v1(196.34,81.2) v1(196.34,63.42) v1(196.34,40.56) v1(196.67,57.35) v1(198.35,116.64) v1(198.83,74.85) v1(198.91,70.46) v1(198.88,43.1) v1(198.88,7.54) v1(199.82,96.52) v1(199.87,107.39) v1(201.04,125.02) v1(201.65,31.22) v1(201.8,19.94) v1(202.79,89.33) v1(203.96,50.83) v1(204.01,134.57) v1(205.23,109.14) v1(205.79,19.08) v1(206.27,101.98) v1(206.48,81.99) v1(206.5,7.54) v1(206.71,144.32) v1(207.26,95.94) v1(207.98,116.36) v1(208.53,59.36) v1(208.94,82.93) v1(209.04,76.12) v1(209.04,71.04) v1(210.54,104.29) v1(210.92,131.75) v1(211.33,59.36) v1(211.58,50.72) v1(211.84,119.81) v1(211.91,138.63) v1(212.32,17.17) v1(214.12,59.36) v1(214.78,43.92) v1(215.9,35.23) v1(216.66,124.38) v1(216.66,116.76) v1(216.66,109.14) v1(216.66,91.36) v1(216.66,86.28) v1(216.66,81.2) v1(216.66,76.12) v1(216.66,71.04) v1(216.66,50.72) v1(216.66,7.54) v1(219.2,38.02) v1(219.2,32.94) v1(219.33,30.71)
